# Altium PCB TCM_IPBUS_MEZZANINE.PCBDOC (part 1 of 2) (continued)
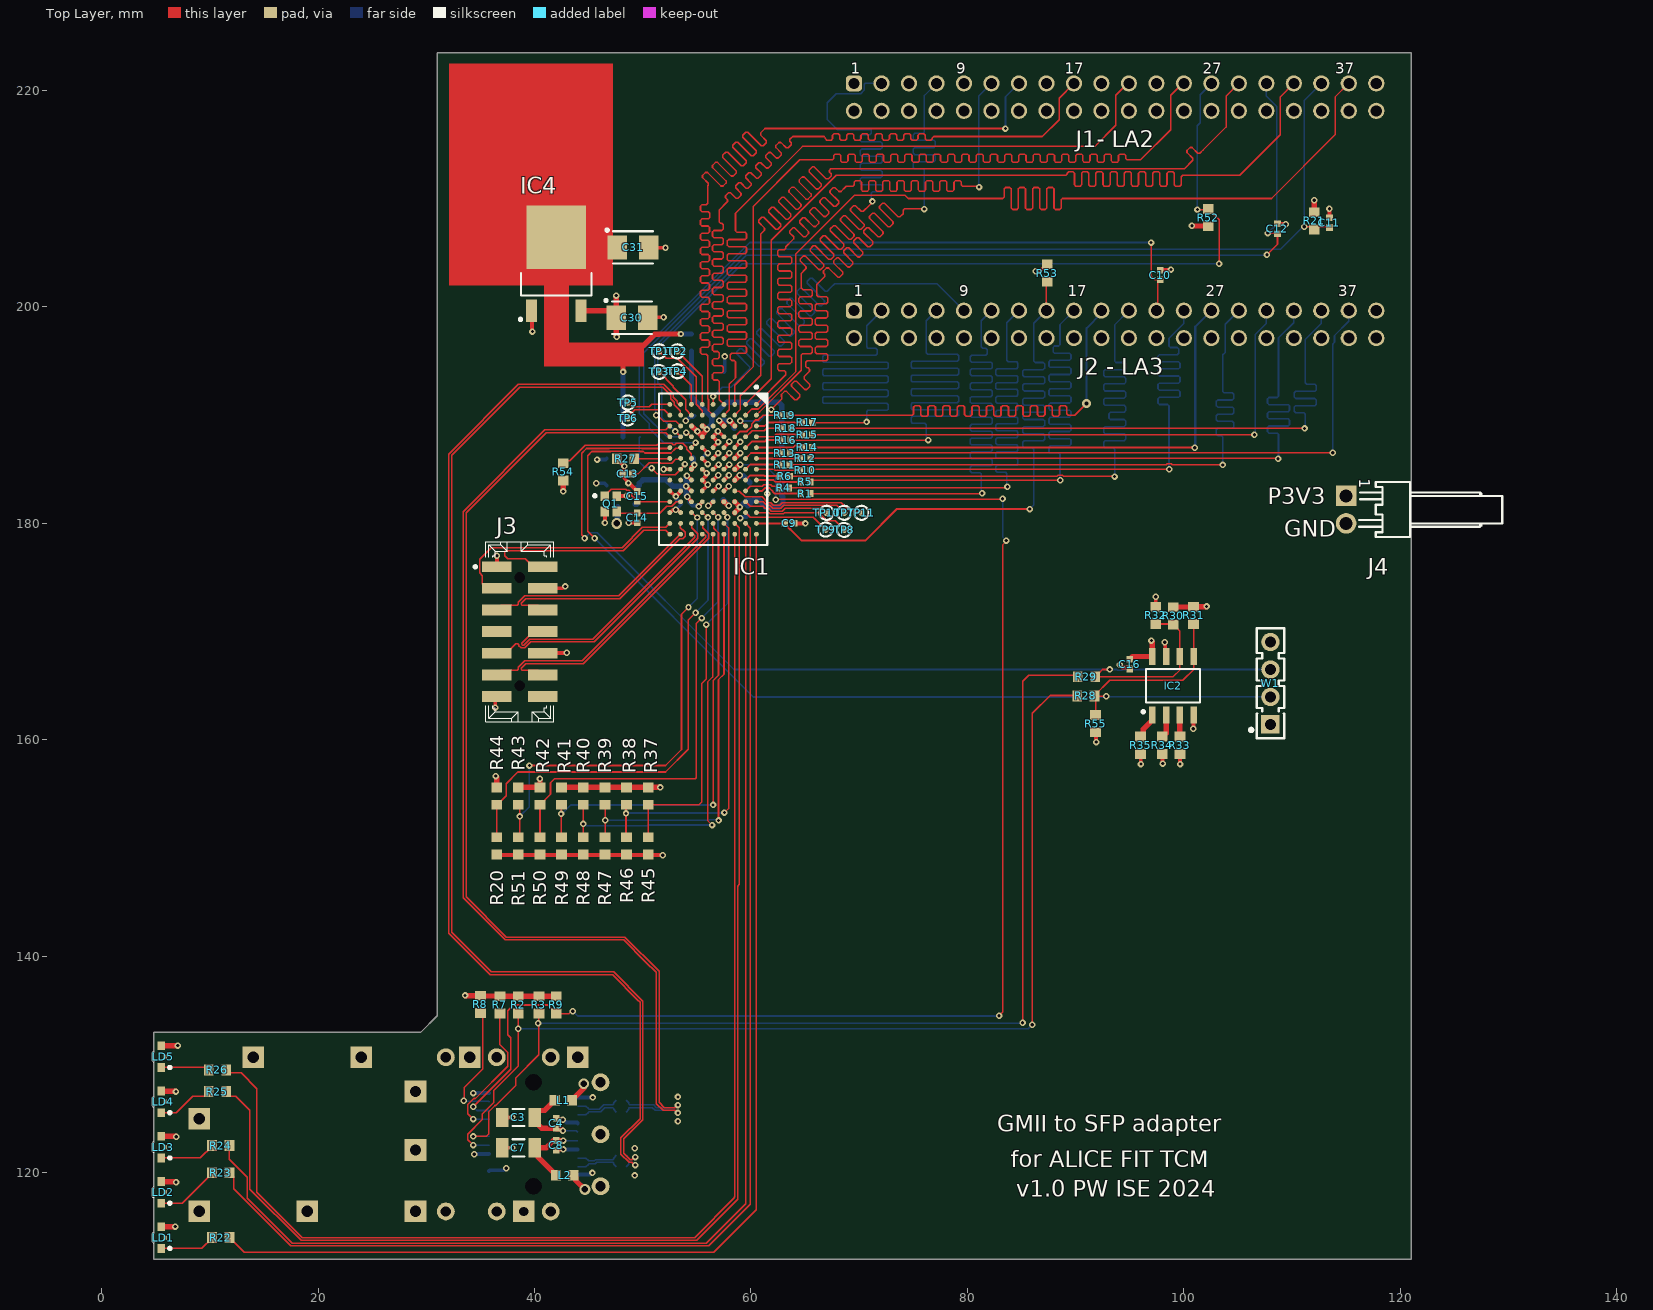
[diagram p0: Top Layer view]
## Part data (continued)
R41: library part R0603_2K26_0.1%_0.063W_10PPM, "Resistor - 0.1%", Case=0603, Manufacturer=GENERIC, Manufacturer1 ComponentHeight=0.5mm, Manufacturer1 Example="TYCO HOLSWORTHY", Manufacturer1 Part Number=RN73C1J2K26BTDF, Power=0.063W, Tolerance=±0.1%, Author="CERN DEM JLC", Component Type=Standard, CreateDate=03.12.2007, HelpURL=\\cern.ch\dfs\Applications\Altium\Datasheets\R0603_Tyco_RN73.pdf, LatestRevisionDate=13.03.2008, Manufacturer Part Number=R0603_2K26_0.1%_0.063W_10PPM, Mounted=Yes, Part Description="Thin Film Chip Resistor", Part Number=R0603_2K26_0.1%_0.063W_10PPM, Pin Count=2, PressFit=No, Sense=No, SMD=Yes, Socket=No, Status="Not Recommended", TC=±10ppm
R46: library part R0603_12K1_0.1%_0.063W_10PPM, "Resistor - 0.1%", Case=0603, Manufacturer=GENERIC, Manufacturer1 ComponentHeight=0.5mm, Manufacturer1 Example="TYCO HOLSWORTHY", Manufacturer1 Part Number=RN73C1J12K1BTDF, Power=0.063W, Tolerance=±0.1%, Author="CERN DEM JLC", Component Type=Standard, CreateDate=03.12.2007, HelpURL=\\cern.ch\dfs\Applications\Altium\Datasheets\R0603_Tyco_RN73.pdf, LatestRevisionDate=13.03.2008, Manufacturer Part Number=R0603_12K1_0.1%_0.063W_10PPM, Mounted=Yes, Part Description="Thin Film Chip Resistor", Part Number=R0603_12K1_0.1%_0.063W_10PPM, Pin Count=2, PressFit=No, Sense=No, SMD=Yes, Socket=No, Status="Not Recommended", TC=±10ppm
R50: library part R0603_4K02_1%_0.1W_100PPM, "Resistor - 1%", Case=0603, Manufacturer=GENERIC, Manufacturer1 ComponentHeight=0.55mm, Manufacturer1 Example="YAGEO PHYCOMP", Manufacturer1 Part Number=RC0603FR-074K02L, Power=0.1W, Tolerance=±1%, Author="CERN DEM BC", Component Type=Standard, CreateDate=13.07.2020, HelpURL=\\cern.ch\dfs\Applications\Altium\Datasheets\R0603_PHYCOMP_RC_L.pdf, LatestRevisionDate=13.07.2020, Manufacturer Part Number=R0603_4K02_1%_0.1W_100PPM, Mounted=Yes, Part Description="General Purpose Thick Film Chip Resistor", Part Number=R0603_4K02_1%_0.1W_100PPM, Pin Count=2, PressFit=No, Sense=No, SMD=Yes, Socket=No, Status=Preferred, TC=±100ppm/°C
TP1 TP2 TP3 TP4 TP5 TP6 TP7 TP8 TP9 TP10 TP11: library part SMD_PAD_D0.6MM, "Test Point", Author="CERN DEM HF", Component Type="Standard (No BOM)", ComponentHeight=0mm, CreateDate=22.11.2023, Family="SMD Pad", HelpURL=Undefined, LatestRevisionDate=22.11.2023, Mounted=No, PackageDescription="0.6mm Diameter SMD Pad", Part Description="0.6mm Diameter SMD Pad", Part Number=SMD_PAD_D0.6MM, Pin Count=1, Sense=No, SMD=Yes, Socket=No, Status=None
W1: library part SAMTEC_HTSW-104-23-L-S, "4 Mini Wire-Wrap Contact Strip Header", Manufacturer=SAMTEC, Manufacturer Part Number=HTSW-104-23-L-S, Author="CERN DEM JLC", Component Type=Standard, ComponentHeight=8.38mm, CreateDate=22.02.2018, Family="Header 4", HelpURL=\\cern.ch\dfs\Applications\Altium\Datasheets\SAMTEC_HTSW-104-23-L-S.pdf, LatestRevisionDate=22.02.2018, Mounted=Yes, Part Description="4 Contacts, Pitch 2.54mm, Single Row  Through Mount Straight Header (Post Lead 5.84mm, Tail Lead 2.92mm, Insulator 2.54mm)", Part Number=SAMTEC_HTSW-104-23-L-S, Pin Count=4, PressFit=No, Sense=No, SMD=No, Socket=No, Status=Preferred, Status Comment="High Temperature"

## Via types
v1: diameter 0.6, hole 0.3, Top Layer to Bottom Layer, tented both sides, 169 vias
v2: diameter 0.6, hole 0.3, Top Layer to Bottom Layer, 3 vias
v3: diameter 1, hole 0.6, Top Layer to Bottom Layer, tented both sides, 3 vias
v4: diameter 0.8, hole 0.4, Top Layer to Bottom Layer, tented both sides, 1 vias

## Nets (pads, with @x,y where several pads share a name; then routed paths per layer and width w, separated by ;. In a path a pad name is that pad's centre, name@x,y a point inside that pad or via, vN(x,y) a via of type N, cw(c..) or ccw(c..) an arc to the next point about the centre after c; other vN are vias at no path point)
CMODE0: IC1.F11 R20.2 R44.1 | length 46.4
  Top Layer w0.15: R20.2@36.5,151 R44.1@36.5,154 36.55,154 37.375,154.825 37.375,155.95 38.45,157.025 52.1,157.025 54.2,159.125 54.2,171.075 v1(54.875,171.75) ; IC1.F11@55.5,181 55.537,181 55.988,180.549 v1(56.025,180.549)
  Bottom Layer w0.15: v1(54.875,171.75) 56.025,172.9 v1(56.025,180.549)
CMODE1: IC1.G11 R43.1 R51.2 | length 45.6
  Top Layer w0.15: R51.2@38.5,151 38.625,151.125 v1(38.625,152.925) 38.625,153.875 R43.1@38.5,154 ; v1(39.525,157.625) 52.1,157.625 53.575,159.1 53.575,171.6 v1(54.225,172.25) ; IC1.G11@54.5,181 54.537,181 54.993,180.544 v1(55.03,180.544)
  Bottom Layer w0.15: v1(38.625,152.925) 39.525,153.825 v1(39.525,157.625) ; v1(54.225,172.25) 55.03,173.055 v1(55.03,180.544)
CMODE2: IC1.E11 R42.1 R50.2 | length 44.7
  Top Layer w0.15: R50.2@40.5,151 R42.1@40.5,154 40.55,154 40.925,154.375 40.925,154.425 41.475,154.975 41.475,156.025 41.85,156.4 54.862,156.4 54.95,156.488 54.95,170.75 v1(55.45,171.25) ; IC1.E11@56.5,181 56.509,181 56.942,180.567 v1(56.952,180.567)
  Bottom Layer w0.15: v1(55.45,171.25) 56.952,172.752 v1(56.952,180.567)
CMODE3: IC1.E12 R41.1 R49.2 | length 43.9
  Top Layer w0.15: R49.2@42.5,151 42.45,151.05 v1(42.45,153.15) 42.45,153.95 R41.1@42.5,154 ; v1(56.495,153.981) 56.495,165.457 57,165.962 57,179.108 56.557,179.551 56.557,179.943 IC1.E12@56.5,180
  Bottom Layer w0.15: v1(42.45,153.15) 42.5,153.15 43.331,153.981 v1(56.495,153.981)
CMODE4: IC1.E13 R40.1 R48.2 | length 42.2
  Top Layer w0.15: R48.2@44.5,151 v1(44.5,152.225) R40.1@44.5,154 ; v1(56.4,152.125) 55.99,152.535 55.99,165.348 56.45,165.808 56.45,178.95 IC1.E13@56.5,179
  Bottom Layer w0.15: v1(44.5,152.225) 44.622,152.225 44.777,152.07 50.457,152.07 50.512,152.125 v1(56.4,152.125)
CMODE5: IC1.D13 R39.1 R47.2 | length 40.2
  Top Layer w0.15: R47.2@46.5,151 46.525,151.025 v1(46.525,152.575) 46.525,153.975 R39.1@46.5,154 ; v1(57.005,152.55) 57,152.555 57,165.566 57.5,166.066 IC1.D13@57.5,179
  Bottom Layer w0.15: v1(46.525,152.575) 46.537,152.563 56.123,152.563 56.191,152.63 56.925,152.63 v1(57.005,152.55)
CMODE6: IC1.D12 R38.1 R46.2 | length 39.2
  Top Layer w0.15: R46.2@48.5,151 48.45,151.05 v1(48.45,153.2) 48.45,153.95 R38.1@48.5,154 ; IC1.D12@57.5,180 57.93,179.57 57.93,153.655 v1(57.55,153.275)
  Bottom Layer w0.15: v1(48.45,153.2) 48.488,153.238 57.513,153.238 v1(57.55,153.275)
CMODE7: IC1.D11 R37.1 R45.2 | length 35.9
  Top Layer w0.15: R45.2@50.5,151 R37.1@50.5,154 55.2,154 55.45,154.25 55.45,165.204 55.875,165.629 v1(55.875,170.65) ; IC1.D11@57.5,181 57.5,180.947 57.828,180.619 v1(57.828,180.567)
  Bottom Layer w0.15: v1(55.875,170.65) 57.828,172.603 v1(57.828,180.567)
GBT_RX_N: C6.2 IC1.H1 | length 107.4
  Top Layer w0.123: v1(49.3,120.707) 49.223,120.707 48.989,120.941 48.739,120.941 47.987,121.693 47.987,123.237 49.75,125 49.75,135.75 49.5,136 47.213,138.287 35.903,138.287 34.414,139.776 32.152,142.038 32.075,142.115 32.075,186.411 38.513,192.848 51.936,192.848 52.825,191.959 52.825,191.636 53.179,191.281 53.179,191.157 53.274,191.063 53.437,191.063 IC1.H1@53.5,191
  Bottom Layer w0.123: C6.2@48.45,120.545 48.698,120.793 48.698,120.869 48.771,120.941 48.989,120.941 49.223,120.707 v1(49.3,120.707)
GBT_RX_P: C5.2 IC1.H2 | length 107.1
  Top Layer w0.123: v1(49.3,121.437) 49.223,121.437 48.989,121.204 48.848,121.204 48.25,121.802 48.25,123.128 50.013,124.891 50.013,135.859 47.322,138.55 36.012,138.55 32.338,142.224 32.338,186.302 38.621,192.585 51.827,192.585 52.562,191.85 52.562,191.527 52.916,191.173 52.916,190.944 53.463,190.397 53.463,190.037 IC1.H2@53.5,190
  Bottom Layer w0.123: C5.2@48.45,121.6 48.698,121.351 48.698,121.276 48.771,121.204 48.989,121.204 49.223,121.437 v1(49.3,121.437)
GBT_RXC_N: C6.1 DD1.19 | length 3.9
  Bottom Layer w0.123: DD1.19@44,120.55 44.75,120.55 44.938,120.738 44.938,120.746 45.011,120.818 45.627,120.818 45.75,120.941 46.915,120.941 47.229,120.941 47.302,120.869 47.302,120.793 C6.1@47.55,120.545
GBT_RXC_P: C5.1 DD1.18 | length 3.9
  Bottom Layer w0.123: DD1.18@44,121.35 44.75,121.35 44.938,121.161 44.938,121.154 45.011,121.081 45.518,121.081 45.641,121.204 47.024,121.204 47.229,121.204 47.301,121.276 47.301,121.351 C5.1@47.55,121.6
GBT_TX_N: C2.2 IC1.J4 | length 97.6
  Top Layer w0.123: IC1.J4@52.5,188 52.131,188.369 41.069,188.369 33.675,180.975 33.675,145.5 37.4,141.775 48.347,141.775 51.513,138.609 51.513,126.487 51.984,126.017 52.939,126.017 53.173,126.25 v1(53.25,126.25)
  Bottom Layer w0.123: C2.2@48.45,126.695 48.698,126.446 48.698,126.351 48.771,126.279 51,126.279 51.262,126.017 52.939,126.017 53.173,126.25 v1(53.25,126.25)
GBT_TX_P: C1.2 IC1.J3 | length 98.5
  Top Layer w0.123: IC1.J3@52.5,189 52.131,188.631 40.96,188.631 33.412,181.084 33.412,145.391 37.291,141.512 48.238,141.512 50.25,139.5 51.25,138.5 51.25,126.378 51.875,125.754 52.939,125.754 53.173,125.52 v1(53.25,125.52)
  Bottom Layer w0.123: C1.2@48.45,125.6 48.698,125.848 48.698,125.944 48.771,126.016 50.891,126.016 51.154,125.754 52.939,125.754 53.173,125.52 v1(53.25,125.52)
GBT_TXC_N: C2.1 DD1.12 | length 4.1
  Bottom Layer w0.123: DD1.12@44,126.15 44.75,126.15 44.938,125.961 44.938,125.954 45.011,125.881 45.977,125.881 46.375,126.279 47.229,126.279 47.301,126.351 47.301,126.446 C2.1@47.55,126.695
GBT_TXC_P: C1.1 DD1.13 | length 4.1
  Bottom Layer w0.123: DD1.13@44,125.35 44.75,125.35 44.938,125.538 44.938,125.546 45.011,125.618 46.14,125.618 46.14,125.673 46.483,126.016 47.229,126.016 47.301,125.944 47.301,125.848 C1.1@47.55,125.6
GND: C3.1 C4.1 C7.1 C8.1 C9.1 C10.1 C11.1 C12.1 C13.1 C14.1 C15.1 C16.1 C17.1 C18.1 C19.1 C20.1 C21.1 C22.1 C23.1 C24.1 C25.1 C26.1 C27.1 C28.1 C29.1 C30.2 C31.2 DD1.1 DD1.3 DD1.10 DD1.11 DD1.14 DD1.17 DD1.20 DD2.1 DD2.2 DD2.3 DD2.4 DD2.5 DD2.6 DD2.7 DD2.8 DD2.9 DD2.10 DD2.11 DD2.12 DD2.13 DD2.14 DD2.15 DD2.16 DD2.17 DD2.18 DD2.19 DD2.20 IC1.C5 IC1.D4 IC1.D5 IC1.D6 IC1.D7 IC1.D8 IC1.D9 IC1.E4 IC1.E5 IC1.E6 IC1.E7 IC1.E8 IC1.E9 IC1.E10 IC1.F5 IC1.F6 IC1.F7 IC1.F8 IC1.F9 IC1.H9 IC1.H11 IC1.J7 IC1.J9 IC1.J11 IC2.4 IC2.7 IC4.1 J1.2 J1.4 J1.6 J1.8 J1.10 J1.12 J1.14 J1.16 J1.18 J1.20 J1.22 J1.24 J1.26 J1.28 J1.30 J1.32 J1.34 J1.36 J1.38 J1.40 J2.2 J2.4 J2.6 J2.8 J2.10 J2.12 J2.14 J2.16 J2.18 J2.20 J2.22 J2.24 J2.26 J2.28 J2.30 J2.32 J2.34 J2.36 J2.38 J2.40 J3.1 J3.4 J3.10 J3.13 J4.2 Q1.2 Q1.4 R20.1 R27.1 R32.1 R33.1 R34.1 R35.1 R36.1 R45.1 R46.1 R47.1 R48.1 R49.1 R50.1 R51.1 R53.1 R55.2 W1.1 | length 90.1
  Top Layer w0.35: v1(36.375,162.975) 36.375,163.875 J3.13@36.5,164 ; R20.1@36.5,149.4 36.537,149.362 51.813,149.362 v1(51.85,149.325) ; J3.1@36.5,176 36.525,176.025 v1(36.525,177) ; C7.1@37,122.295 v1(37.95,122.295) ; C3.1@37,125.1 v1(37.95,125.1) ; IC4.1@39.72,199.65 39.76,199.61 39.76,197.765 v1(39.8,197.725) ; J3.10@40.75,168 40.775,168.025 42.95,168.025 v1(42.975,168.05) ; J3.4@40.75,174 42.582,174 42.757,174.175 v1(42.825,174.175) ; C8.1@42,122.07 42.04,122.11 42.62,122.11 v1(42.66,122.15) ; C4.1@42,125 42.055,124.945 42.573,124.945 v1(42.621,124.898) ; v1(46.5,180.05) Q1.2@46.5,181.1 ; Q1.4@47.6,182.5 47.625,182.525 48.475,182.525 v1(48.5,182.55) ; R27.1@47.605,185.975 47.605,185.925 48.255,185.275 v1(48.3,185.275) 48.252,185.227 48.252,184.672 C13.1@48.15,184.57 48.285,184.435 48.285,184.178 48.67,183.793 v1(48.67,183.725) 48.725,183.725 C15.1@49.5,182.95 ; v1(48.705,180.05) C14.1@49.5,180.05 ; C30.2@50.45,199 50.5,199.05 v1(51.925,199.05) ; C31.2@50.55,205.5 50.575,205.475 v1(52.1,205.475) ; v1(51.925,185) IC1.J7@52.5,185 ; IC1.J11@52.5,181 52.527,181 52.737,181.21 52.96,181.21 53.003,181.252 53.221,181.252 53.473,181 IC1.H11@53.5,181 ; IC1.J9@52.5,183 53,182.5 53.027,182.5 53.5,182.973 IC1.H9@53.5,183 ; v1(53.065,182.49) IC1.H9@53.483,182.907 ; IC1.F9@55.5,183 55.5,183.027 56,183.527 v1(56,183.561) 55.966,183.561 55.527,184 IC1.F8@55.5,184 55.5,184.027 55.852,184.379 55.852,184.602 v1(55.9,184.65) 55.875,184.65 55.525,185 IC1.F7@55.5,185 ; IC1.F6@55.5,186 55.5,185.988 56,185.488 v1(56,185.476) ; IC1.F5@55.5,187 v1(56,186.5) ; v1(56.043,181.634) 56.107,181.634 56.473,182 IC1.E10@56.5,182 ; IC1.E9@56.5,183 56.527,183 56.965,183.438 v1(57,183.438) ; IC1.E8@56.5,184 56.514,184 56.952,184.438 v1(56.965,184.438) ; IC1.E7@56.5,185 56.527,185 56.965,185.438 v1(57,185.438) ; IC1.E6@56.5,186 56.5,186.023 56.952,186.475 v1(56.952,186.498) ; IC1.E5@56.5,187 56.5,187.027 56.952,187.479 v1(56.952,187.513) 56.952,187.531 56.5,187.982 IC1.E4@56.5,188 56.5,188.027 56.944,188.471 v1(56.944,188.518) 56.963,188.518 57.481,188 IC1.D4@57.5,188 ; IC1.D9@57.5,183 57.507,183 57.945,183.438 v1(57.952,183.438) ; IC1.D8@57.5,184 57.514,184 57.952,184.438 v1(57.965,184.438) ; IC1.D7@57.5,185 57.527,185 57.965,185.438 v1(57.98,185.438) ; IC1.D6@57.5,186 v1(58,186.5) ; IC1.D5@57.5,187 57.5,187.027 58,187.527 v1(58,187.562) ; IC1.C5@58.5,187 58.5,187.014 58.998,187.513 v1(58.998,187.527) ; C9.1@64,180 v1(65.03,180) ; v2(86.309,203.302) 86.691,203.302 87.326,203.937 R53.1@87.376,203.937 ; R55.2@91.846,160.693 91.872,160.668 91.872,159.817 v2(91.897,159.791) ; v1(94.075,166.95) 94.34,166.685 94.865,166.685 C16.1@95,166.55 ; R35.1@96,158.7 96.019,158.681 96.019,157.778 v1(96.037,157.759) ; R32.1@97.4,172.3 v1(97.4,173.225) ; C10.1@97.825,203.4 97.85,203.425 98.775,203.425 v1(98.8,203.45) ; R34.1@98,158.7 98.022,158.678 98.022,157.832 v1(98.044,157.81) ; v1(98.225,169.025) 98.273,168.977 98.273,167.792 IC2.7@98.365,167.7 ; R33.1@99.635,158.7 99.64,158.695 99.64,157.764 v1(99.644,157.759) ; v1(100.875,161.025) 100.89,161.04 100.89,162.285 IC2.4@100.905,162.3 ; C12.1@108.65,207.675 108.663,207.662 109.413,207.662 v1(109.425,207.65) ; C11.1@113.45,208.25 v1(113.45,209.075)
  Bottom Layer w0.35: v1(34.325,127.355) 34.328,127.352 35.797,127.352 DD1.10@35.8,127.35 ; v1(34.425,121.7) 34.45,121.725 35.775,121.725 DD1.3@35.8,121.75 ; DD1.1@35.8,120.15 35.875,120.225 37.132,120.225 37.307,120.4 v1(37.375,120.4) ; v1(42.621,124.898) 42.688,124.898 42.961,124.625 43.925,124.625 DD1.14@44,124.55 ; v1(42.66,122.15) DD1.17@44,122.15 ; DD1.20@44,119.75 44.075,119.825 45.132,119.825 45.282,119.975 v1(45.35,119.975) ; DD1.11@44,126.95 v1(45.375,126.95) ; v1(45.7,183.702) 46.473,183.702 C20.1@46.675,183.5 ; v1(45.775,185.9) 46.575,185.9 C28.1@46.675,186 ; v1(51.925,185) C29.1@52.55,185 ; v1(53.047,181.253) 53.047,181.272 C23.1@53.55,181.775 53.113,182.212 53.113,182.442 v1(53.065,182.49) ; v1(53.969,189.49) 54.037,189.49 54.367,189.82 54.635,189.82 C26.1@54.77,189.955 ; C22.1@55.5,183 56,183.5 v1(56,183.561) ; C21.1@55.5,184 55.852,184.352 ; C19.1@55.5,186.057 55.943,186.5 v1(56,186.5) ; v1(56.043,181.634) 56.043,181.672 C18.1@56.55,182.179 ; C24.1@57.5,194 57.579,194.079 v1(57.579,195.425) ; v1(59.004,180.492) 59.072,180.492 59.165,180.586 59.58,180.586 C27.1@59.715,180.721 ; v1(61.5,182.752) R36.1@61.5,183.75
  other v1: 49.25,119.75 49.25,122.25 53.25,124.75 53.25,127
LA2_0: IC1.B2 J1.37 | length 92
  Top Layer w0.15: IC1.B2@59.5,190 60.07,190.57 60.678,190.57 64.15,194.042 64.15,204.925 69.53,210.305 74.245,210.305 74.525,210.025 83.185,210.025 83.26,210.025 83.392,210.157 83.392,210.909 83.523,211.041 83.918,211.041 84.05,210.909 84.05,209.141 84.181,209.009 84.576,209.009 84.708,209.141 84.708,210.909 84.839,211.041 85.234,211.041 85.366,210.909 85.366,209.141 85.497,209.009 85.892,209.009 86.024,209.141 86.024,210.909 86.155,211.041 86.55,211.041 86.682,210.909 86.682,209.141 86.813,209.009 87.208,209.009 87.34,209.141 87.34,210.909 87.471,211.041 87.866,211.041 87.998,210.909 87.998,209.141 88.129,209.009 88.524,209.009 88.656,209.141 88.656,209.893 88.787,210.025 89.433,210.025 108.1,210.025 113.975,215.9 113.975,219.395 J1.37@115.24,220.66
LA2_1: C11.2 IC1.G4 J1.35 R21.1 | length 93.4
  Top Layer w0.15: v1(54.027,188.389) 54.069,188.389 54.458,188 IC1.G4@54.5,188 ; v1(111.125,207.4) 113.4,207.4 C11.2@113.45,207.35
  Bottom Layer w0.15: v1(54.027,188.389) 53.634,187.995 52.23,187.995 50.1,190.125 50.1,195.779 59.651,205.33 108.937,205.33 111.007,207.4 v1(111.125,207.4) 111.125,219.075 112.7,220.65 J1.35@112.7,220.66
LA2_2: IC1.B1 J1.33 | length 91.4
  Top Layer w0.15: IC1.B1@59.5,191 61.875,193.375 61.875,206.175 67.865,212.165 89.027,212.165 89.102,212.165 89.234,212.297 89.234,212.363 89.365,212.495 89.76,212.495 89.892,212.363 89.892,211.281 90.023,211.149 90.418,211.149 90.55,211.281 90.55,212.363 90.681,212.495 91.076,212.495 91.208,212.363 91.208,211.281 91.339,211.149 91.734,211.149 91.866,211.281 91.866,212.363 91.997,212.495 92.392,212.495 92.524,212.363 92.524,211.281 92.655,211.149 93.05,211.149 93.182,211.281 93.182,212.363 93.313,212.495 93.708,212.495 93.84,212.363 93.84,211.281 93.971,211.149 94.366,211.149 94.498,211.281 94.498,212.363 94.629,212.495 95.024,212.495 95.156,212.363 95.156,211.281 95.287,211.149 95.682,211.149 95.814,211.281 95.814,212.363 95.945,212.495 96.34,212.495 96.472,212.363 96.472,211.281 96.603,211.149 96.998,211.149 97.13,211.281 97.13,212.363 97.261,212.495 97.656,212.495 97.788,212.363 97.788,211.281 97.919,211.149 98.314,211.149 98.446,211.281 98.446,212.363 98.577,212.495 98.972,212.495 99.104,212.363 99.104,211.281 99.235,211.149 99.63,211.149 99.762,211.281 99.762,212.033 99.893,212.165 100.127,212.165 105.165,212.165 108.9,215.9 108.9,219.4 J1.33@110.16,220.66
LA2_3: C12.2 IC1.H3 J1.31 | length 87.3
  Top Layer w0.15: v1(51.25,190) 51.352,190 51.922,189.43 53.07,189.43 IC1.H3@53.5,189 ; v1(107.675,204.825) 108.65,205.8 C12.2@108.65,206.775 108.6,206.825 v1(107.75,206.825)
  Bottom Layer w0.15: v1(51.25,190) 51.195,190.055 51.195,190.525 51.12,190.6 51.12,196.32 59.575,204.775 107.65,204.775 107.738,204.863 107.738,204.987 v1@107.675,205.05 ; J1.31@107.62,220.66 107.62,219.487 108.575,218.532 108.575,207.65 v1(107.75,206.825)
LA2_4: IC1.C2 J1.29 | length 90.6
  Top Layer w0.15: IC1.C2@58.5,190 59.02,190.52 59.02,191.8 60.9,193.68 60.9,206.75 61.2,207.05 61.253,207.103 61.253,207.289 60.72,207.821 60.72,208.007 61,208.286 61.186,208.286 62.295,207.177 62.481,207.177 62.76,207.456 62.76,207.642 61.651,208.752 61.651,208.938 61.93,209.217 62.116,209.217 63.226,208.108 63.412,208.108 63.691,208.387 63.691,208.573 62.582,209.682 62.582,209.868 62.861,210.148 63.047,210.148 64.156,209.038 64.342,209.038 64.621,209.317 64.621,209.503 63.512,210.613 63.512,210.799 63.791,211.078 63.977,211.078 65.087,209.969 65.273,209.969 65.552,210.248 65.552,210.434 64.443,211.543 64.443,211.729 64.722,212.009 64.908,212.009 66.017,210.899 66.203,210.899 66.483,211.178 66.483,211.365 65.373,212.474 65.373,212.66 65.652,212.939 65.838,212.939 66.948,211.83 67.134,211.83 67.413,212.109 67.413,212.295 67.251,212.457 67.251,212.643 67.382,212.775 68.428,212.775 100.05,212.775 100.775,213.5 100.828,213.553 100.828,213.739 100.295,214.271 100.295,214.457 100.574,214.736 100.761,214.736 101.293,214.204 101.479,214.204 101.778,214.503 103.9,216.625 103.9,219.48 J1.29@105.08,220.66
LA2_5: IC1.H4 J1.27 R52.1 | length 82.6
  Top Layer w0.13: v1(53,188.5) IC1.H4@53.5,188 ; v1(101.25,209) R52.1@102,209 ; R52.1@102.25,209.05 102.3,209.05 102.685,208.665 102.685,208.615 103.25,208.05 v1(103.25,204)
  Bottom Layer w0.13: v1(53,188.5) 51.745,189.755 51.745,192.645 51.39,193 51.39,196.208 59.182,204 v1(103.25,204) ; v1(101.25,209) 101.25,216.75 101.5,217 101.5,219.62 J1.27@102.54,220.66
LA2_6: IC1.C1 J1.25 | length 90.3
  Top Layer w0.15: IC1.C1@58.5,191 58.5,192.767 60.225,194.492 60.225,209.3 64.514,213.589 67.437,213.589 67.512,213.589 67.644,213.72 67.644,213.99 67.775,214.121 68.17,214.121 68.302,213.99 68.302,213.493 68.433,213.362 68.828,213.362 68.96,213.493 68.96,213.99 69.091,214.121 69.486,214.121 69.618,213.99 69.618,213.493 69.749,213.362 70.144,213.362 70.276,213.493 70.276,213.99 70.407,214.121 70.802,214.121 70.934,213.99 70.934,213.493 71.065,213.362 71.46,213.362 71.592,213.493 71.592,213.99 71.723,214.121 72.118,214.121 72.25,213.99 72.25,213.493 72.381,213.362 72.776,213.362 72.908,213.493 72.908,213.99 73.039,214.121 73.434,214.121 73.566,213.99 73.566,213.493 73.697,213.362 74.092,213.362 74.224,213.493 74.224,213.99 74.355,214.121 74.75,214.121 74.882,213.99 74.882,213.493 75.013,213.362 75.408,213.362 75.54,213.493 75.54,213.99 75.671,214.121 76.066,214.121 76.198,213.99 76.198,213.493 76.329,213.362 76.724,213.362 76.856,213.493 76.856,213.99 76.987,214.121 77.382,214.121 77.514,213.99 77.514,213.493 77.645,213.362 78.04,213.362 78.172,213.493 78.172,213.99 78.303,214.121 78.698,214.121 78.83,213.99 78.83,213.493 78.961,213.362 79.356,213.362 79.488,213.493 79.488,213.99 79.619,214.121 80.014,214.121 80.146,213.99 80.146,213.493 80.277,213.362 80.672,213.362 80.804,213.493 80.804,213.99 80.935,214.121 81.33,214.121 81.462,213.99 81.462,213.493 81.593,213.362 81.988,213.362 82.12,213.493 82.12,213.99 82.251,214.121 82.646,214.121 82.778,213.99 82.778,213.493 82.909,213.362 83.304,213.362 83.436,213.493 83.436,213.99 83.567,214.121 83.962,214.121 84.094,213.99 84.094,213.493 84.225,213.362 84.62,213.362 84.752,213.493 84.752,213.99 84.883,214.121 85.278,214.121 85.41,213.99 85.41,213.493 85.541,213.362 85.936,213.362 86.068,213.493 86.068,213.99 86.199,214.121 86.594,214.121 86.726,213.99 86.726,213.493 86.857,213.362 87.252,213.362 87.384,213.493 87.384,213.99 87.515,214.121 87.91,214.121 88.042,213.99 88.042,213.493 88.173,213.362 88.568,213.362 88.7,213.493 88.7,213.99 88.831,214.121 89.226,214.121 89.358,213.99 89.358,213.493 89.489,213.362 89.884,213.362 90.016,213.493 90.016,213.99 90.147,214.121 90.542,214.121 90.674,213.99 90.674,213.493 90.805,213.362 91.2,213.362 91.332,213.493 91.332,213.99 91.463,214.121 91.858,214.121 91.99,213.99 91.99,213.493 92.121,213.362 92.516,213.362 92.648,213.493 92.648,213.99 92.779,214.121 93.174,214.121 93.306,213.99 93.306,213.493 93.437,213.362 93.832,213.362 93.964,213.493 93.964,213.99 94.095,214.121 94.49,214.121 94.622,213.99 94.622,213.72 94.753,213.589 95.942,213.589 95.989,213.589 98.775,216.375 98.775,219.551 99.884,220.66 J1.25@100,220.66
LA2_8: IC1.D2 J1.21 | length 90.8
  Top Layer w0.15: IC1.D2@57.5,190 58,190.5 58,192.871 58.572,193.443 58.572,194.843 58.572,194.918 58.441,195.05 58.215,195.05 58.084,195.182 58.084,195.576 58.215,195.708 59.457,195.708 59.588,195.84 59.588,196.234 59.457,196.366 57.928,196.366 57.796,196.498 57.796,196.892 57.928,197.024 59.457,197.024 59.588,197.156 59.588,197.55 59.457,197.682 57.928,197.682 57.796,197.814 57.796,198.208 57.928,198.34 59.457,198.34 59.588,198.472 59.588,198.866 59.457,198.998 57.928,198.998 57.796,199.13 57.796,199.524 57.928,199.656 59.457,199.656 59.588,199.788 59.588,200.182 59.457,200.314 57.928,200.314 57.796,200.446 57.796,200.84 57.928,200.972 59.457,200.972 59.588,201.104 59.588,201.498 59.457,201.63 57.928,201.63 57.796,201.762 57.796,202.156 57.928,202.288 59.457,202.288 59.588,202.42 59.588,202.814 59.457,202.946 57.928,202.946 57.796,203.078 57.796,203.472 57.928,203.604 59.457,203.604 59.588,203.736 59.588,204.13 59.457,204.262 57.928,204.262 57.796,204.394 57.796,204.788 57.928,204.92 59.457,204.92 59.588,205.052 59.588,205.446 59.457,205.578 57.928,205.578 57.796,205.71 57.796,206.104 57.928,206.236 59.457,206.236 59.588,206.368 59.588,206.762 59.457,206.894 58.704,206.894 58.572,207.026 58.572,207.67 58.572,208.647 64.758,214.833 91.758,214.833 93.712,216.787 93.712,219.563 94.81,220.66 J1.21@94.92,220.66
LA2_10: IC1.D1 J1.17 | length 90.6
  Top Layer w0.15: IC1.D1@57.5,191 57.074,191.426 57.074,193.04 57.074,193.115 56.942,193.247 56.578,193.247 56.447,193.378 56.447,193.773 56.578,193.905 57.306,193.905 57.438,194.036 57.438,194.431 57.306,194.563 56.578,194.563 56.447,194.694 56.447,195.089 56.578,195.221 56.942,195.221 57.074,195.352 57.074,195.747 56.942,195.879 56.578,195.879 56.447,196.01 56.447,196.405 56.578,196.537 57.306,196.537 57.438,196.668 57.438,197.063 57.306,197.195 56.578,197.195 56.447,197.326 56.447,197.721 56.578,197.853 57.306,197.853 57.438,197.984 57.438,198.379 57.306,198.511 56.578,198.511 56.447,198.642 56.447,199.037 56.578,199.169 57.306,199.169 57.438,199.3 57.438,199.695 57.306,199.827 56.578,199.827 56.447,199.958 56.447,200.353 56.578,200.485 57.306,200.485 57.438,200.616 57.438,201.011 57.306,201.143 56.578,201.143 56.447,201.274 56.447,201.669 56.578,201.801 57.306,201.801 57.438,201.932 57.438,202.327 57.306,202.459 56.578,202.459 56.447,202.59 56.447,202.985 56.578,203.117 57.306,203.117 57.438,203.248 57.438,203.643 57.306,203.775 56.578,203.775 56.447,203.906 56.447,204.301 56.578,204.433 57.306,204.433 57.438,204.564 57.438,204.959 57.306,205.091 56.578,205.091 56.447,205.222 56.447,205.617 56.578,205.749 57.306,205.749 57.438,205.88 57.438,206.275 57.306,206.407 56.578,206.407 56.447,206.538 56.447,206.933 56.578,207.065 57.306,207.065 57.438,207.196 57.438,207.591 57.306,207.723 57.205,207.723 57.074,207.854 57.074,208.458 57.074,208.966 57.772,209.664 57.825,209.717 57.825,209.903 57.649,210.08 57.649,210.266 57.928,210.545 58.114,210.545 58.613,210.046 58.8,210.046 59.079,210.325 59.079,210.511 58.579,211.01 58.579,211.197 58.859,211.476 59.045,211.476 59.544,210.976 59.73,210.976 60.009,211.256 60.009,211.442 59.51,211.941 59.51,212.127 59.789,212.406 59.975,212.406 60.475,211.907 60.661,211.907 60.94,212.186 60.94,212.372 60.441,212.872 60.441,213.058 60.72,213.337 60.906,213.337 61.405,212.838 61.591,212.838 61.87,213.117 61.87,213.303 61.371,213.802 61.371,213.988 61.65,214.267 61.836,214.267 62.336,213.768 62.522,213.768 62.801,214.047 62.801,214.233 62.302,214.733 62.302,214.919 62.581,215.198 62.767,215.198 63.266,214.699 63.452,214.699 63.731,214.978 63.731,215.164 63.595,215.301 63.595,215.487 63.856,215.748 63.957,215.748 66.015,215.748 66.748,215.748 66.879,215.616 66.879,215.535 67.011,215.403 67.406,215.403 67.537,215.535 67.537,215.868 67.669,216 68.064,216 68.195,215.868 68.195,215.535 68.327,215.403 68.722,215.403 68.853,215.535 68.853,215.868 68.985,216 69.38,216 69.511,215.868 69.511,215.535 69.643,215.403 70.038,215.403 70.169,215.535 70.169,215.868 70.301,216 70.696,216 70.827,215.868 70.827,215.535 70.959,215.403 71.354,215.403 71.485,215.535 71.485,215.868 71.617,216 72.012,216 72.143,215.868 72.143,215.535 72.275,215.403 72.67,215.403 72.801,215.535 72.801,215.868 72.933,216 73.328,216 73.459,215.868 73.459,215.535 73.591,215.403 73.986,215.403 74.117,215.535 74.117,215.868 74.249,216 74.644,216 74.775,215.868 74.775,215.535 74.907,215.403 75.302,215.403 75.433,215.535 75.433,215.868 75.565,216 75.96,216 76.091,215.868 76.091,215.535 76.223,215.403 76.618,215.403 76.749,215.535 76.749,215.616 76.881,215.748 77.479,215.748 86.923,215.748 88.475,217.3 88.475,219.295 J1.17@89.84,220.66